# Altium PCB FMC_DAC_125M_14B_16CHA.PcbDoc (part 9 of 9)
Units mm, origin at the board's own origin, x right, y up, seen from the top; angles counter-clockwise.
Board outline 77.15 x 69 mm, 8 copper layers (L1, P2, L3, P4, L5, P6, L7, L8), stack 1.438 mm thick; 612 components, 516 nets, 2304 pads, 1339 vias.
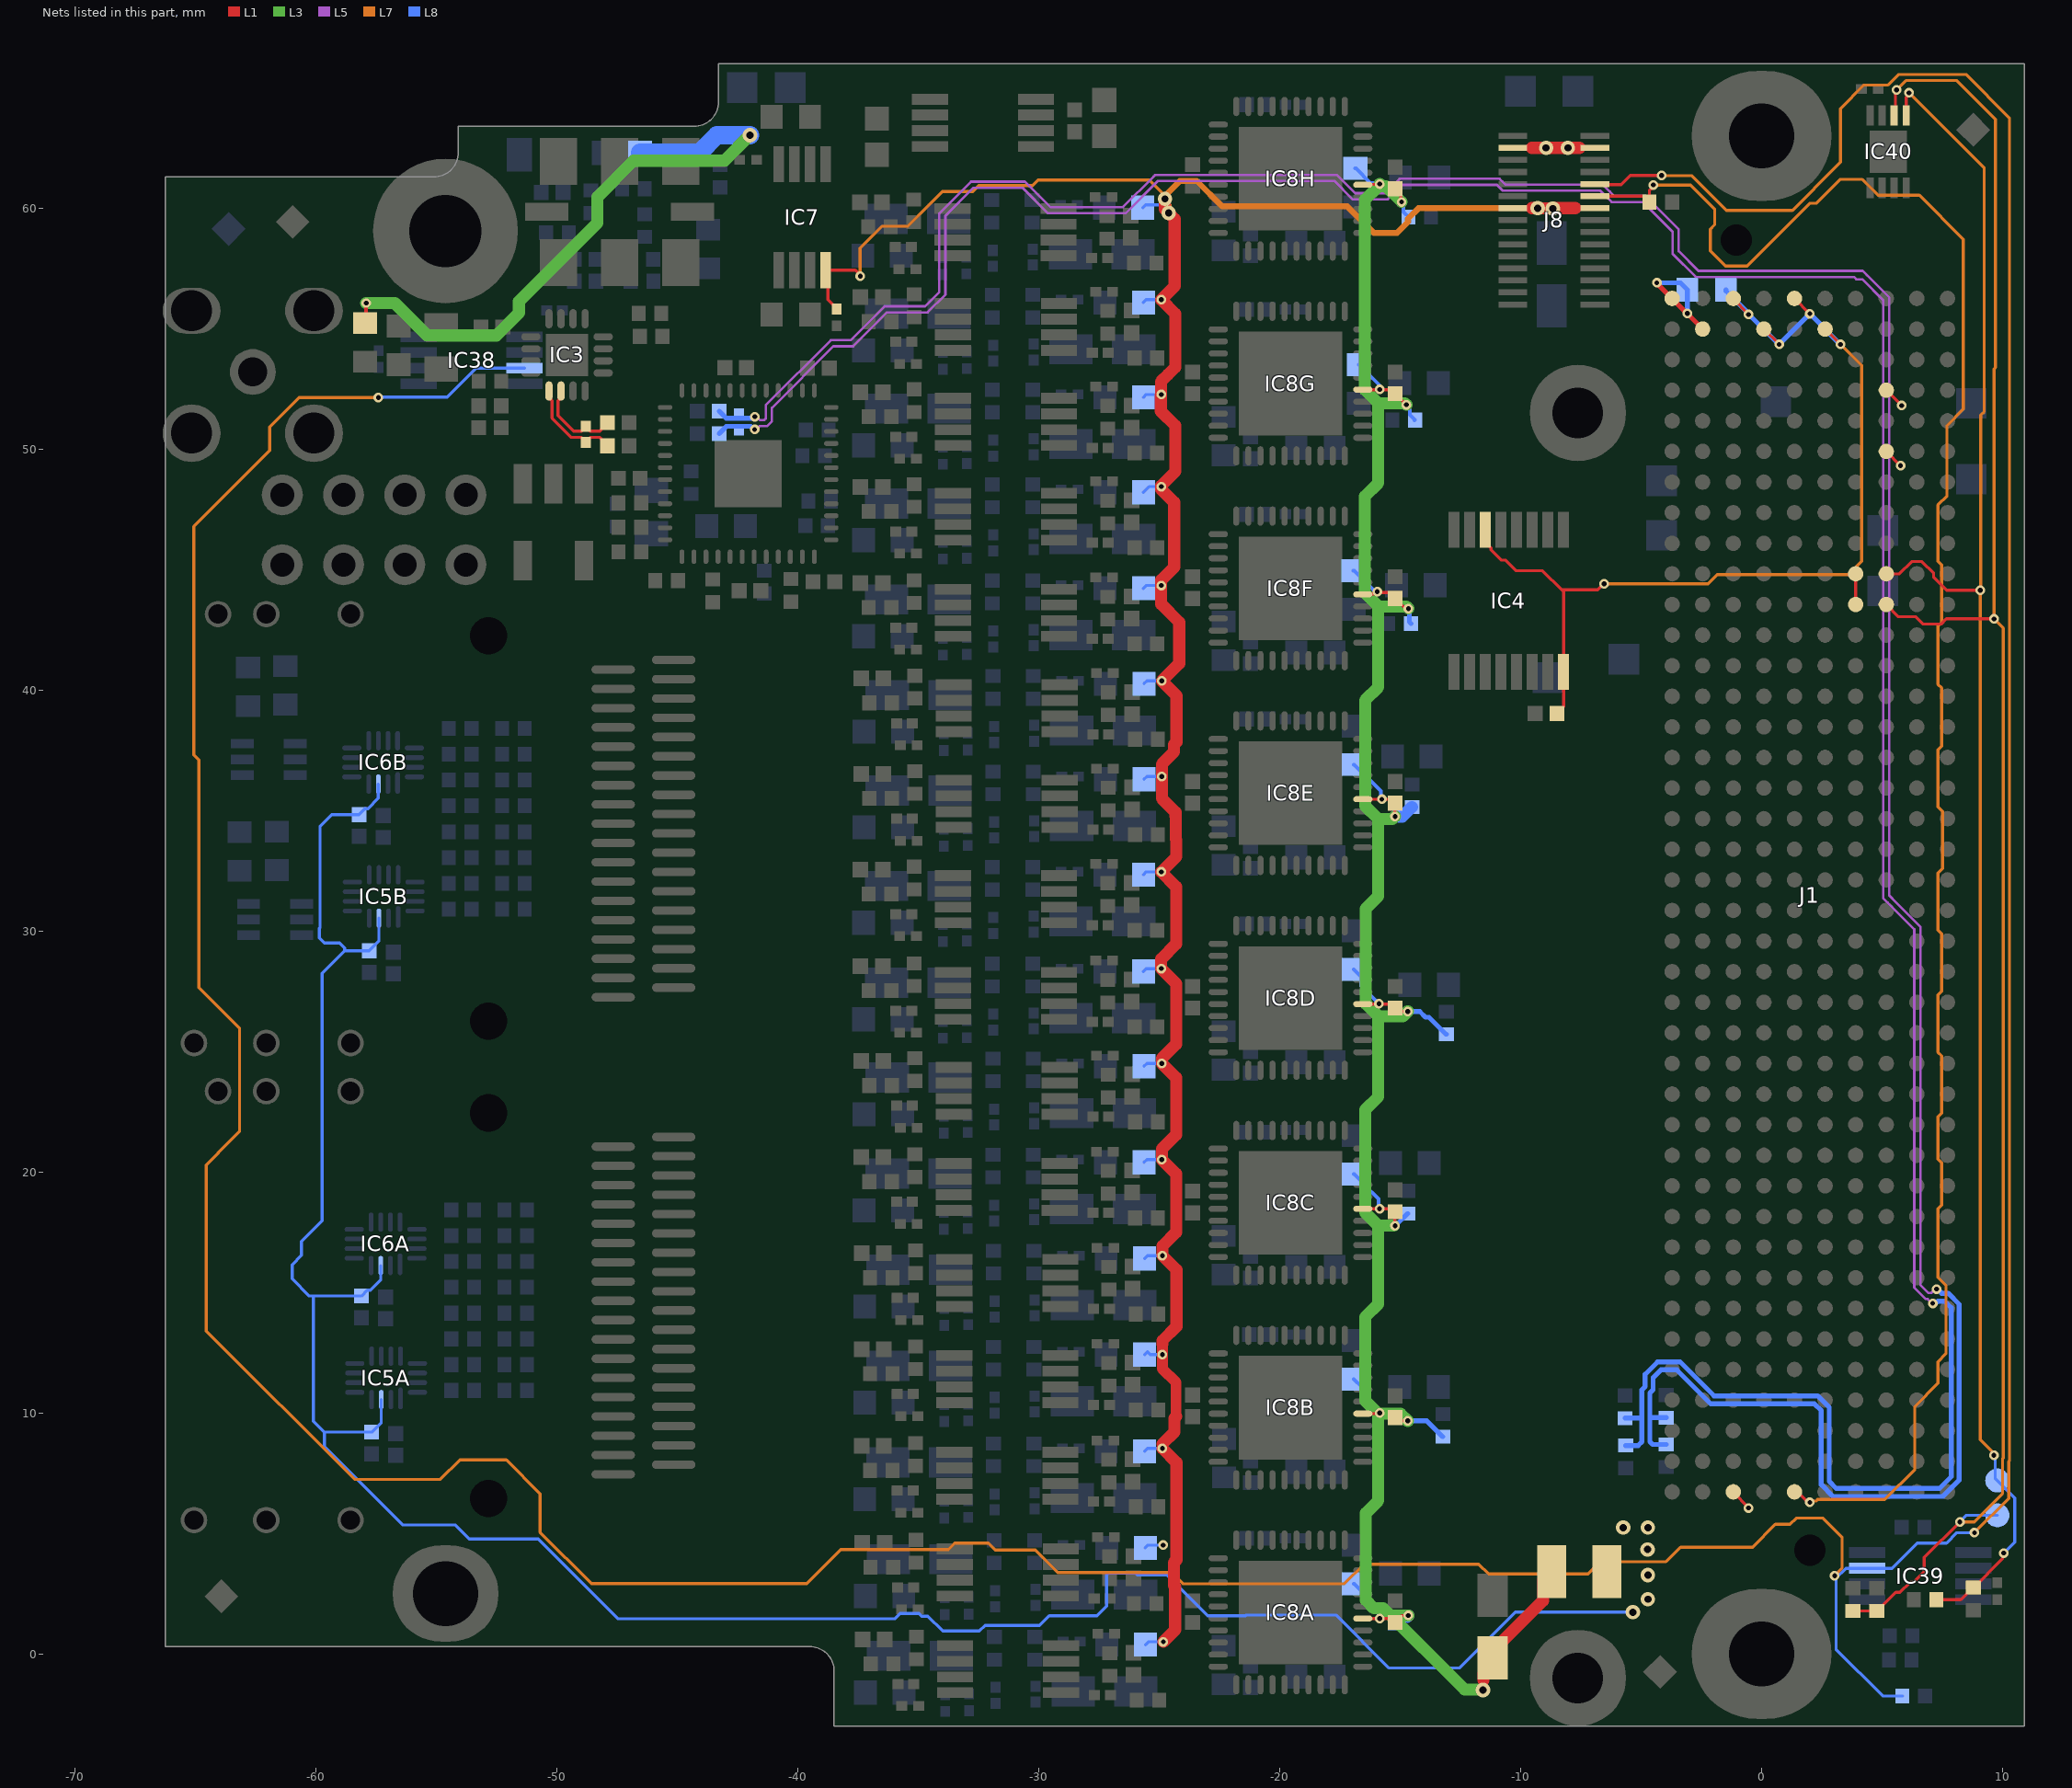
[diagram p15: the nets of this part, all layers, seen from the top]

## Via types
v1: diameter 0.4, hole 0.2, L1 to L8, tented both sides, 1114 vias
v2: diameter 0.5, hole 0.2, L1 to L8, tented both sides, 132 vias
v3: diameter 0.4, hole 0.2, L1 to L8, 61 vias
v4: diameter 0.6, hole 0.3, L1 to L8, tented both sides, 30 vias
v5: diameter 0.6, hole 0.3, L1 to L8, 2 vias

## Nets (pads, with @x,y where several pads share a name; then routed paths per layer and width w, separated by ;. In a path a pad name is that pad's centre, name@x,y a point inside that pad or via, vN(x,y) a via of type N, cw(c..) or ccw(c..) an arc to the next point about the centre after c; other vN are vias at no path point) (continued)
P5V0A: C36.2 IC7.8 J8.13 J8.14 L1A.2 L1B.2 L1C.2 L1D.2 L1E.2 L1F.2 L1G.2 L1H.2 L1I.2 L1J.2 L1K.2 L1L.2 L1M.2 L1N.2 L1O.2 L1P.2 | length 118.1
  L1 w0.127: C36.2@-38.384,55.816 -38.384,55.841 -38.748,56.206 -38.748,57.332 IC7.8@-38.846,57.43 -37.616,57.43 -37.411,57.225 v3(-37.411,57.185)
  L1 w0.45: -24.869,12.86 -24.869,11.839 -24.302,11.272 -24.302,9.852
  L1 w0.5: v1@-24.934,52.268 -24.934,51.575 -24.335,50.976 -24.335,49.072 -24.92,48.487 -24.92,48.331 -24.383,47.794 -24.383,45.106 -24.92,44.57 v1(-24.92,44.343) -24.92,43.568 -24.171,42.818 -24.171,41.105 v1(-24.895,40.381) -24.285,39.77 -24.285,37.846 -24.394,37.737 -24.394,37.429 -24.895,36.928 v1(-24.895,36.418) -24.895,35.503 -24.323,34.932 -24.323,34.762 -24.31,34.748 -24.31,33.806 -24.296,33.792 -24.296,33.08 v1(-24.92,32.456) -24.302,31.838 -24.302,29.464 -24.92,28.845 v1(-24.92,28.443) -24.302,27.825 -24.302,25.308 -24.895,24.715 v1(-24.895,24.506) -24.302,23.913 -24.302,21.548 -24.895,20.955 v1(-24.895,20.518) -24.302,19.925 -24.302,17.495 -24.869,16.927 v1(-24.869,16.53) -24.285,15.945 -24.285,13.59 -24.869,13.005 -24.869,12.86 ; v1(-24.92,52.268) -24.93,52.278 -24.93,52.806 -24.64,53.096 -24.335,53.401 -24.335,55.62 v1(-24.92,56.205) -24.361,56.765 -24.361,59.557 v4(-24.61,59.807) -24.766,59.962 v4(-24.766,60.387) ; v1(-24.869,8.529) -24.285,7.944 -24.285,3.9 -24.394,3.791 -24.394,2.843 -24.343,2.791 -24.343,0.994 v1(-24.834,0.503) ; v1@-24.869,8.716 -24.368,9.217 -24.368,9.785 -24.302,9.852 ; v4@-9.532,60.004 -9.296,60.004 v4(-9.294,60.002) ; v4@-9.292,60.003 -9.291,60.002 -8.678,60.002 v4(-8.664,59.987) ; v4@-8.648,60.004 -7.728,60.004
  L7 w0.127: v3(-37.411,57.185) -37.411,58.352 -36.513,59.25 -35.447,59.25 -34.004,60.694 -32.736,60.694 -32.489,60.94 -30.263,60.94 -30.035,61.167 -25.419,61.167 v4@-24.766,60.514
  L7 w0.254: v4(-24.61,59.807) -24.613,59.81 -24.613,60.108 -24.766,60.26 v4(-24.766,60.387) -24.766,60.514 -24.147,61.133 -23.448,61.133 -22.392,60.076 -17.192,60.076 -16.091,58.975 -15.134,58.975 -14.677,59.432 -14.677,59.568 -14.244,60.002 -9.299,60.002 -9.296,60.004 v4(-9.294,60.002)
  L8 w0.127: L1P.2@-25.683,60.025 -25.566,60.142 -24.946,60.142 v4(-24.61,59.807) v4@-24.585,59.782 ; L1H.2@-25.658,28.326 -25.541,28.443 v1(-24.92,28.443) ; L1I.2@-25.658,32.339 -25.541,32.456 v1(-24.92,32.456) ; L1L.2@-25.658,44.226 -25.541,44.343 v1(-24.92,44.343) ; L1M.2@-25.658,48.214 -25.424,48.448 v1(-24.92,48.448) ; L1N.2@-25.658,52.151 -25.541,52.268 v1(-24.92,52.268) ; L1O.2@-25.658,56.088 -25.541,56.205 v1(-24.92,56.205) ; L1F.2@-25.632,20.401 -25.515,20.518 v1(-24.895,20.518) ; L1G.2@-25.632,24.389 -25.515,24.506 v1(-24.895,24.506) ; L1J.2@-25.632,36.301 -25.515,36.418 v1(-24.895,36.418) ; L1K.2@-25.632,40.264 -25.515,40.381 v1(-24.895,40.381) ; L1C.2@-25.607,8.412 -25.49,8.529 v1(-24.869,8.529) ; L1D.2@-25.607,12.425 -25.49,12.543 -25.374,12.427 v1(-24.869,12.427) ; L1E.2@-25.607,16.413 -25.49,16.53 v1(-24.869,16.53) ; L1B.2@-25.582,4.399 -25.464,4.516 v1(-24.844,4.516) ; L1A.2@-25.572,0.386 -25.455,0.503 v1(-24.834,0.503)
P12V0: J1.c35 J1.c37 J8.3 J8.4 | length 4.3
  L1 w0.127: -7.564,62.504 J8.3@-6.925,62.504 ; J1.c35@5.175,49.906 5.178,49.906 5.763,49.321 v1(5.765,49.321) ; J1.c37@5.175,52.446 5.18,52.446 5.18,52.443 5.813,51.811 v1(5.815,51.811)
  L1 w0.5: -9.532,62.504 v4(-8.945,62.504) v4(-8.041,62.504) -7.564,62.504
PG_M2C: J1.f1 J8.11 R138.2 | length 79.9
  L1 w0.127: J8.11@-6.925,60.504 -4.884,60.504 R138.2@-4.655,60.276 ; R138.2@-4.655,60.256 R138.2@-4.655,60.276 ; v1(-4.498,60.969) -4.498,60.913 -4.655,60.756 R138.2@-4.655,60.276 ; J1.f1@1.365,6.726 1.492,6.726 1.926,6.292 v1(2,6.292)
  L7 w0.127: v1(-4.498,60.969) -4.493,60.963 -2.944,60.963 -1.948,59.966 -1.948,59.309 -2.128,59.129 -2.128,58.234 -1.495,57.602 -0.601,57.602 2.001,60.203 2.258,60.203 3.251,61.196 4.181,61.196 4.838,60.539 6.549,60.539 8.375,58.712 8.375,51.665 7.695,50.985 7.695,48.058 7.325,47.688 7.325,45.343 7.476,45.192 7.476,42.803 7.325,42.652 7.325,40.241 7.476,40.09 7.476,37.679 7.325,37.528 7.325,35.158 7.51,34.972 7.51,32.598 7.325,32.413 7.325,30.036 7.476,29.885 7.476,27.504 7.325,27.353 7.325,24.972 7.476,24.821 7.476,22.439 7.325,22.288 7.325,20.534 7.476,20.383 7.476,18.629 7.325,18.478 7.325,15.63 7.652,15.303 7.652,12.455 7.325,12.128 7.325,11.242 6.358,10.275 6.358,7.655 5.113,6.411 2.32,6.411 2.253,6.344 2.052,6.344 v1(2,6.292)
REFA_N: C18.1 R14.1 R56.1 R57.1 | length 131.3
  L5 w0.102: v1(-41.792,51.345) -41.719,51.345 -41.583,51.209 -41.394,51.209 -41.334,51.268 -41.334,51.82 -38.632,54.522 -37.81,54.522 -36.401,55.931 -34.72,55.931 -34.13,56.522 -34.13,59.786 -32.812,61.104 -30.575,61.104 -29.518,60.048 -26.503,60.048 -25.239,61.311 -25.165,61.386 -17.632,61.386 -16.872,60.626 -15.621,60.626 -15.024,61.223 -10.878,61.223 -10.759,61.103 -10.64,60.985 -6.595,60.985 -6.292,60.682 -6.119,60.509 -4.828,60.509 -3.439,59.12 -3.439,58.215 -2.624,57.4 4.193,57.4 4.363,57.229 5.3,56.293 5.3,31.472 5.587,31.184 6.591,30.181 6.591,15.313 6.917,14.987 7.052,14.987 7.206,15.141 v1(7.261,15.141)
  L8 w0.203: C18.1@-43.27,51.582 -42.965,51.277 v1@-41.792,51.277 ; R57.1@-3.964,8.694 -4.519,8.694 -4.638,8.813 -4.638,9.804 ; R56.1@-3.964,9.804 -4.638,9.804 ; v1(7.261,15.141) 7.304,15.141 7.479,14.967 7.743,14.967 8.204,14.505 8.204,7.218 7.526,6.54 2.963,6.54 2.475,7.027 2.475,10.1 2.195,10.38 -2.11,10.38 -3.52,11.79 -4.181,11.79 -4.502,11.468 -4.502,10.966 -4.638,10.83 -4.638,9.804
REFA_P: C17.1 R14.2 R54.1 R55.1 | length 130.8
  L5 w0.102: v1(-41.794,50.818) -41.722,50.818 -41.586,50.955 -41.289,50.955 -41.08,51.163 -41.08,51.715 -38.527,54.268 -37.705,54.268 -36.295,55.677 -34.615,55.677 -33.876,56.416 -33.876,59.68 -32.706,60.85 -30.68,60.85 -29.623,59.794 -26.397,59.794 -25.059,61.132 -17.737,61.132 -16.977,60.372 -15.515,60.372 -14.919,60.969 -10.983,60.969 -10.746,60.731 -6.7,60.731 -6.224,60.255 -4.933,60.255 -3.693,59.015 -3.693,58.11 -2.729,57.146 3.834,57.146 3.93,57.05 4.184,57.05 5.046,56.188 5.046,31.367 5.228,31.184 5.407,31.005 6.337,30.075 6.337,15.208 6.811,14.733 6.892,14.733 7.076,14.55 v1(7.101,14.55)
  L8 w0.203: C17.1@-43.27,50.642 -42.965,50.947 -41.959,50.947 v1@-41.842,50.83 ; R55.1@-5.668,9.786 -4.968,9.786 ; R54.1@-5.643,8.65 -5.125,8.65 -4.968,8.807 -4.968,9.786 ; v1(7.101,14.55) 7.139,14.587 7.27,14.587 7.318,14.636 7.606,14.636 7.874,14.369 7.874,7.355 7.389,6.87 3.099,6.87 2.805,7.164 2.805,10.236 2.332,10.71 -1.973,10.71 -3.384,12.12 -4.318,12.12 -4.833,11.605 -4.833,11.103 -4.968,10.967 -4.968,9.786
REFB_N: C22.1 IC3.10 R15.1 | length 3.7
  L1 w0.127: IC3.10@-49.831,52.414 -49.831,52.126 -49.954,52.003 -49.954,51.396 -49.302,50.744 -48.983,50.744 R15.1@-48.8,50.927 ; R15.1@-48.8,50.947 R15.1@-48.8,50.927 ; C22.1@-47.904,51.1 -48.15,50.853 -48.15,50.818 -48.225,50.744 -48.617,50.744 R15.1@-48.8,50.927
REFB_P: C21.1 IC3.9 R15.2 | length 4.1
  L1 w0.127: IC3.9@-50.331,52.414 -50.331,52.126 -50.208,52.003 -50.208,51.291 -50.014,51.096 -49.407,50.49 -48.983,50.49 R15.2@-48.8,50.307 ; R15.2@-48.8,50.287 R15.2@-48.8,50.307 ; C21.1@-47.904,50.134 -48.15,50.381 -48.15,50.416 -48.225,50.49 -48.617,50.49 R15.2@-48.8,50.307
SCL: B15.1 IC40.6 J1.c30 R114.2 R116.1 | length 79.1
  L1 w0.127: R116.1@3.785,1.786 R114.2@4.785,1.786 4.805,1.786 5.571,2.552 5.742,2.552 6.174,2.984 6.316,2.984 6.75,3.418 6.75,4.003 v1(8.228,5.481) ; IC40.6@5.501,63.848 5.551,63.899 5.551,64.86 v1(5.602,64.91) ; v1(9.649,42.956) 7.672,42.956 7.457,42.74 6.713,42.74 6.408,43.045 5.688,43.045 ; 5.688,43.045 5.686,43.045 J1.c30@5.175,43.556 5.18,43.556 5.18,43.553 5.688,43.045
  L7 w0.127: v1(5.602,64.91) 5.99,65.299 8.102,65.299 9.709,63.692 9.709,53.391 9.649,53.331 v1(9.649,42.956) ; v1(8.228,5.481) 8.833,5.481 10.001,6.65 10.001,8.092 10.033,8.124 10.033,42.571 9.709,42.895 v1@9.709,42.956
  L8 w0.127: v1(8.228,5.481) 8.231,5.481 8.506,5.756 B15.1@9.785,5.756
SDA: B14.1 IC40.5 J1.c31 R113.2 R115.1 | length 71.9
  L1 w0.127: J1.c31@5.175,44.826 J1.c31@5.18,44.826 ; J1.c31@5.18,44.823 J1.c31@5.18,44.826 ; IC40.5@6.001,63.848 6.001,64.603 ; R113.2@7.255,2.256 8.265,2.256 8.765,2.756 R115.1@8.785,2.756 8.805,2.756 10,3.95 10,4.133 v1(10.052,4.186) ; v1(9.077,44.143) 7.676,44.143 7.14,44.679 7.14,44.853 6.657,45.336 6.234,45.336 5.723,44.826 J1.c31@5.18,44.826
  L7 w0.127: v1(6.115,64.79) 9.239,61.666 9.239,51.559 9.093,51.413 9.093,44.159 v1(9.077,44.143) 9.077,8.894 9.643,8.329 v1(9.643,8.248)
  L8 w0.127: v1(9.643,8.248) 9.695,8.195 9.695,7.289 B14.1@9.785,7.199 9.785,7.196 9.788,7.196 10.509,6.475 10.509,4.643 v1(10.052,4.186)
TDI: J1.d30 J1.d31 | length 1.3
  L1 w0.127: J1.d30@3.905,43.556 J1.d31@3.905,44.826
TEMP_ALARM: IC38.3 IC39.3 J8.9 R105.1 | length 225.4
  L1 w0.127: J8.9@-6.925,61.004 -6.904,60.984 -5.823,60.984 -5.445,61.361 v1(-4.147,61.361)
  L7 w0.127: v1(-57.414,52.141) -60.698,52.141 -61.918,50.92 -61.918,49.94 -65.068,46.791 -65.068,37.317 -64.857,37.106 -64.857,27.654 -63.176,25.973 -63.176,21.686 -64.065,20.798 -64.065,20.782 -64.551,20.296 -64.551,13.396 -58.399,7.244 -54.842,7.244 -54.029,8.058 -52.102,8.058 -50.695,6.65 -50.695,5.047 -48.57,2.922 -39.631,2.922 -38.215,4.337 -33.744,4.337 -33.486,4.595 -32.092,4.595 -31.81,4.313 -30.148,4.313 -29.218,3.383 -24.488,3.383 -24.018,2.913 -17.316,2.913 -16.502,3.728 -11.74,3.728 -11.33,3.317 -7.208,3.317 -6.698,3.827 -3.967,3.827 -3.361,4.432 -0.375,4.432 0.57,5.377 1.183,5.377 1.445,5.639 2.555,5.639 3.339,4.855 3.339,3.552 v1(3.031,3.244) ; v1(-4.147,61.361) -4.139,61.353 -2.907,61.353 -1.463,59.91 1.28,59.91 3.091,61.72 3.091,61.726 3.27,61.905 3.27,64.131 4.249,65.111 5.25,65.111 5.692,65.553 8.487,65.553 10.287,63.753 10.287,8.019 10.255,7.987 10.255,6.453 v1(8.833,5.031)
  L8 w0.127: v1(-57.414,52.141) -57.395,52.16 -54.55,52.16 -53.348,53.361 IC38.3@-51.345,53.361 ; v1(3.031,3.244) 3.091,3.184 v1@3.091,3.149 ; R105.1@5.845,-1.744 5.028,-1.744 3.091,0.193 v1@3.091,3.149 ; v1(8.833,5.031) 8.109,5.031 7.674,4.596 6.461,4.596 5.421,3.556 IC39.3@4.385,3.556 3.497,3.556 v1@3.091,3.149
VADJ: C31.2 C32A.2 C32B.2 C34A.2 C34B.2 IC4.6 IC4.16 IC5A.3 IC5B.3 IC6A.3 IC6B.3 J1.e39 J1.f40 J1.g39 J1.h40 L7.1 R12.1 | length 145.3
  L1 w0.127: IC4.6@-11.448,46.04 -11.379,46.04 -11.237,45.899 -11.237,45.829 -10.801,45.392 -10.613,45.392 -10.176,44.956 -9.087,44.956 -8.29,44.159 ; C31.2@-8.497,39.035 -8.222,39.31 IC4.16@-8.222,40.758 -8.222,44.09 -8.29,44.159 ; v1(-6.536,44.413) -6.549,44.413 -6.803,44.159 -8.29,44.159 ; J1.h40@-1.175,56.256 -1.175,56.24 -0.54,55.605 v1(-0.54,55.589) ; J1.g39@0.095,54.986 v1(0.73,54.351) ; J1.f40@1.365,56.256 v1(2,55.621) ; J1.e39@2.635,54.986 v1(3.27,54.351)
  L7 w0.127: v1(-6.536,44.413) -2.223,44.413 -1.844,44.792 3.59,44.792 4.148,45.35 4.148,53.472 v1(3.27,54.351)
  L8 w0.127: IC6B.3@-57.414,36.1 -57.414,35.509 -57.842,35.081 -57.968,35.081 C32B.2@-58.215,34.835 -59.351,34.835 -59.833,34.353 -59.833,30.149 -59.865,30.117 -59.865,29.716 -59.652,29.503 -59.021,29.503 -58.808,29.29 -58.808,29.185 ; IC5B.3@-57.392,30.536 -57.392,29.585 C34B.2@-57.792,29.185 -58.808,29.185 ; IC6A.3@-57.314,16.121 -57.314,15.53 -57.742,15.102 -57.868,15.102 C32A.2@-58.115,14.856 -60.107,14.856 ; IC5A.3@-57.292,10.557 -57.292,9.606 C34A.2@-57.692,9.206 -59.655,9.206 ; v4(-5.341,1.733) -10.219,1.733 -12.532,-0.579 -15.48,-0.579 -17.672,1.613 -21.384,1.613 -21.414,1.583 -22.996,1.583 -24.687,3.274 -25.914,3.274 -25.995,3.355 -27.107,3.355 -27.182,3.281 -27.182,1.982 -27.58,1.583 -29.566,1.583 -29.965,1.184 -32.232,1.184 -32.466,0.95 -33.991,0.95 -34.609,1.569 -34.869,1.569 -34.975,1.675 -35.754,1.675 -35.967,1.463 -47.475,1.463 -50.778,4.765 -53.634,4.765 -54.225,5.356 -56.412,5.356 -59.655,8.599 -59.655,9.206 ; -60.107,14.856 -60.107,9.658 -59.655,9.206 ; -60.107,14.856 -60.283,14.856 -60.994,15.567 -60.994,16.149 -60.603,16.54 -60.603,17.123 -59.742,17.984 -59.742,28.251 -58.808,29.185
  L8 w0.2: R12.1@-1.48,56.619 -1.48,56.569 -0.54,55.629 v1(-0.54,55.589) -0.524,55.589 0.714,54.351 v1(0.73,54.351) v1(2,55.621) v1(3.27,54.351)
  other v4: -4.719,2.272 -4.719,3.276 -4.731,4.337 -5.744,5.243 -4.719,5.243
VADJ_BUF: C7A.1 C7B.1 C7C.1 C7D.1 C7E.1 C7F.1 C7G.1 C7H.1 C10A.2 C10B.2 C10C.2 C10D.2 C10E.2 C10F.2 C10G.2 C10H.2 C42.1 IC8A.5 IC8B.5 IC8C.5 IC8D.5 IC8E.5 IC8F.5 IC8G.5 IC8H.5 L4.1 L7.2 R68A.1 R68B.1 R68C.1 R68D.1 R68E.1 R68F.1 R68G.1 R68H.1 R71.1 | length 144.7
  L1 w0.127: IC8A.5@-16.552,1.472 v3(-15.852,1.472) -15.432,1.472 C7A.1@-15.315,1.356 ; IC8B.5@-16.552,9.972 v3@-15.852,9.972 ; IC8C.5@-16.552,18.472 -15.432,18.472 C7C.1@-15.315,18.356 ; IC8D.5@-16.552,26.972 -15.432,26.972 C7D.1@-15.315,26.856 ; IC8E.5@-16.552,35.472 v3(-15.762,35.472) -15.432,35.472 C7E.1@-15.315,35.356 ; IC8F.5@-16.552,43.972 -16.528,43.996 -16.113,43.996 -16.024,44.085 v3(-15.95,44.085) ; IC8G.5@-16.552,52.472 -15.432,52.472 C7G.1@-15.315,52.356 ; IC8H.5@-16.552,60.972 -16.536,60.988 -15.868,60.988 v3(-15.852,61.004) ; v3@-15.913,44.047 -15.908,44.052 -15.462,44.052 -15.315,43.906 C7F.1@-15.315,43.856 ; C7A.1@-15.215,1.306 -14.926,1.595 v1(-14.662,1.595) ; C7B.1@-15.215,9.806 -15.056,9.647 -15.031,9.672 v1(-14.688,9.672) ; v1(-15.215,17.77) -15.215,18.311 -15.191,18.335 C7C.1@-15.209,18.354 ; C7D.1@-15.215,26.806 -15.074,26.665 v1(-14.688,26.665) ; v1(-15.215,34.756) C7E.1@-15.215,35.306 ; C7F.1@-15.215,43.806 v1@-14.727,43.317 ; C7G.1@-15.215,52.306 -14.753,51.843 v1(-14.744,51.843) ; C7H.1@-15.215,60.806 -14.969,60.559 -14.969,60.287 v1(-14.944,60.262)
  L1 w0.152: R71.1@-57.968,55.235 -57.918,55.285 v3(-57.918,56.064)
  L1 w0.5: -11.543,-1.103 -11.543,-0.813 -11.168,-0.438 C42.1@-11.168,-0.163 -11.168,0.112 -9.069,2.211 -9.069,3.068 L7.2@-8.719,3.418
  L3 w0.5: v3@-15.852,9.972 -14.988,9.972 v1(-14.688,9.672) ; v3(-15.852,61.004) -15.852,60.97 v3@-15.915,60.907 ; -15.313,1.595 v1(-14.662,1.595) ; v1@-15.278,17.774 -15.915,17.774 ; v1(-15.215,34.756) -15.321,34.65 -15.915,34.65 ; v1(-14.944,60.262) -15.589,60.907 v3@-15.915,60.907 ; v1(-14.744,51.843) -14.804,51.904 -15.915,51.904 ; v1(-14.688,26.665) -14.883,26.469 -15.915,26.469 ; v1(-14.658,43.385) -14.746,43.472 -15.915,43.472 ; v4@-11.565,-1.509 -11.592,-1.481 -12.324,-1.481 -15.701,1.895 -16.091,1.895 -16.429,2.233 -16.429,5.846 -15.915,6.36 -15.915,9.972 -16.458,10.515 -16.458,13.979 -15.915,14.522 -15.915,17.774 ; -15.915,17.774 -16.459,18.318 -16.459,22.58 -15.915,23.123 -15.915,26.469 ; -15.915,26.469 -16.429,26.984 -16.429,30.935 -15.915,31.449 -15.915,34.65 ; -15.915,34.65 -16.458,35.193 -16.458,39.581 -15.915,40.124 -15.915,43.472 ; -15.915,43.472 -16.472,44.029 -16.472,48.04 -15.915,48.597 -15.915,51.904 ; -15.915,51.904 -16.472,52.46 -16.472,60.35 v3@-15.915,60.907
  L3 w0.508: v3(-57.918,56.064) -56.728,56.064 -55.387,54.723 -52.518,54.723 -51.58,55.66 -51.58,56.134 -48.323,59.391 -48.323,60.468 -46.823,61.968 -43.051,61.968 v4(-41.99,63.029)
  L8 w0.152: C10F.2@-16.939,44.956 -16.914,44.956 -16.091,44.132 -15.998,44.132 v3(-15.95,44.085) ; C10A.2@-16.927,2.911 -16.902,2.911 -16.503,2.512 -16.503,2.487 -15.899,1.883 -15.899,1.52 v3(-15.852,1.472) ; C10B.2@-16.927,11.411 -16.57,11.054 -16.57,10.721 v3(-15.852,10.003) ; C10C.2@-16.927,19.911 -16.902,19.911 -16.503,19.512 -16.503,19.487 -15.905,18.889 -15.905,18.519 v3(-15.858,18.471) ; C10D.2@-16.927,28.411 -16.619,28.102 -16.619,27.722 v3(-15.881,26.985) ; C10E.2@-16.927,36.911 -16.902,36.911 -15.81,35.818 -15.81,35.52 v3(-15.762,35.472) ; C10H.2@-16.864,61.656 -16.839,61.656 -16.234,61.051 -15.899,61.051 v3(-15.852,61.004) ; C10G.2@-16.722,53.502 -16.697,53.502 -15.852,52.657 v3(-15.852,52.481) ; v1(-14.944,60.262) -14.944,60.195 -14.873,60.125 -14.873,59.848 R68H.1@-14.66,59.634 ; v1(-14.744,51.843) -14.744,51.776 -14.597,51.629 -14.597,51.422 R68G.1@-14.383,51.209 R68G.1@-14.401,51.19
  L8 w0.2: v1(-15.215,17.77) -15.199,17.77 -14.692,18.276 R68C.1@-14.672,18.276 ; v1(-14.688,9.672) -13.897,9.672 -13.242,9.017 R68B.1@-13.222,9.017 ; v1(-14.688,26.665) v1(-14.688,26.665) -14.188,26.663 -13.946,26.421 -13.805,26.421 -13.102,25.718 R68D.1@-13.082,25.718 ; v1(-14.658,43.385) -14.62,43.346 -14.62,42.835 R68F.1@-14.552,42.766
  L8 w0.5: R68A.1@-15.215,1.263 -15.195,1.263 -14.922,1.536 -14.721,1.536 v1(-14.662,1.595) ; v1(-15.215,34.756) -14.916,34.756 -14.529,35.143 R68E.1@-14.509,35.143
  L8 w0.762: L4.1@-46.549,62.298 -44.089,62.298 -43.359,63.029 v4(-41.99,63.029)